# Altium PCB vme64x6U_ctrlc.PcbDoc (part 18 of 18)
Units mm, origin at the board's own origin, x right, y up, seen from the top; angles counter-clockwise.
Board outline 233.35 x 162 mm, 6 copper layers (TopLayer, PlaneGnd, PlanePwr, MidLayer3, MidLayer4, BottomLayer); 408 components, 677 nets, 2169 pads, 1555 vias.
Unrouted connection lines stored in the file: 184.
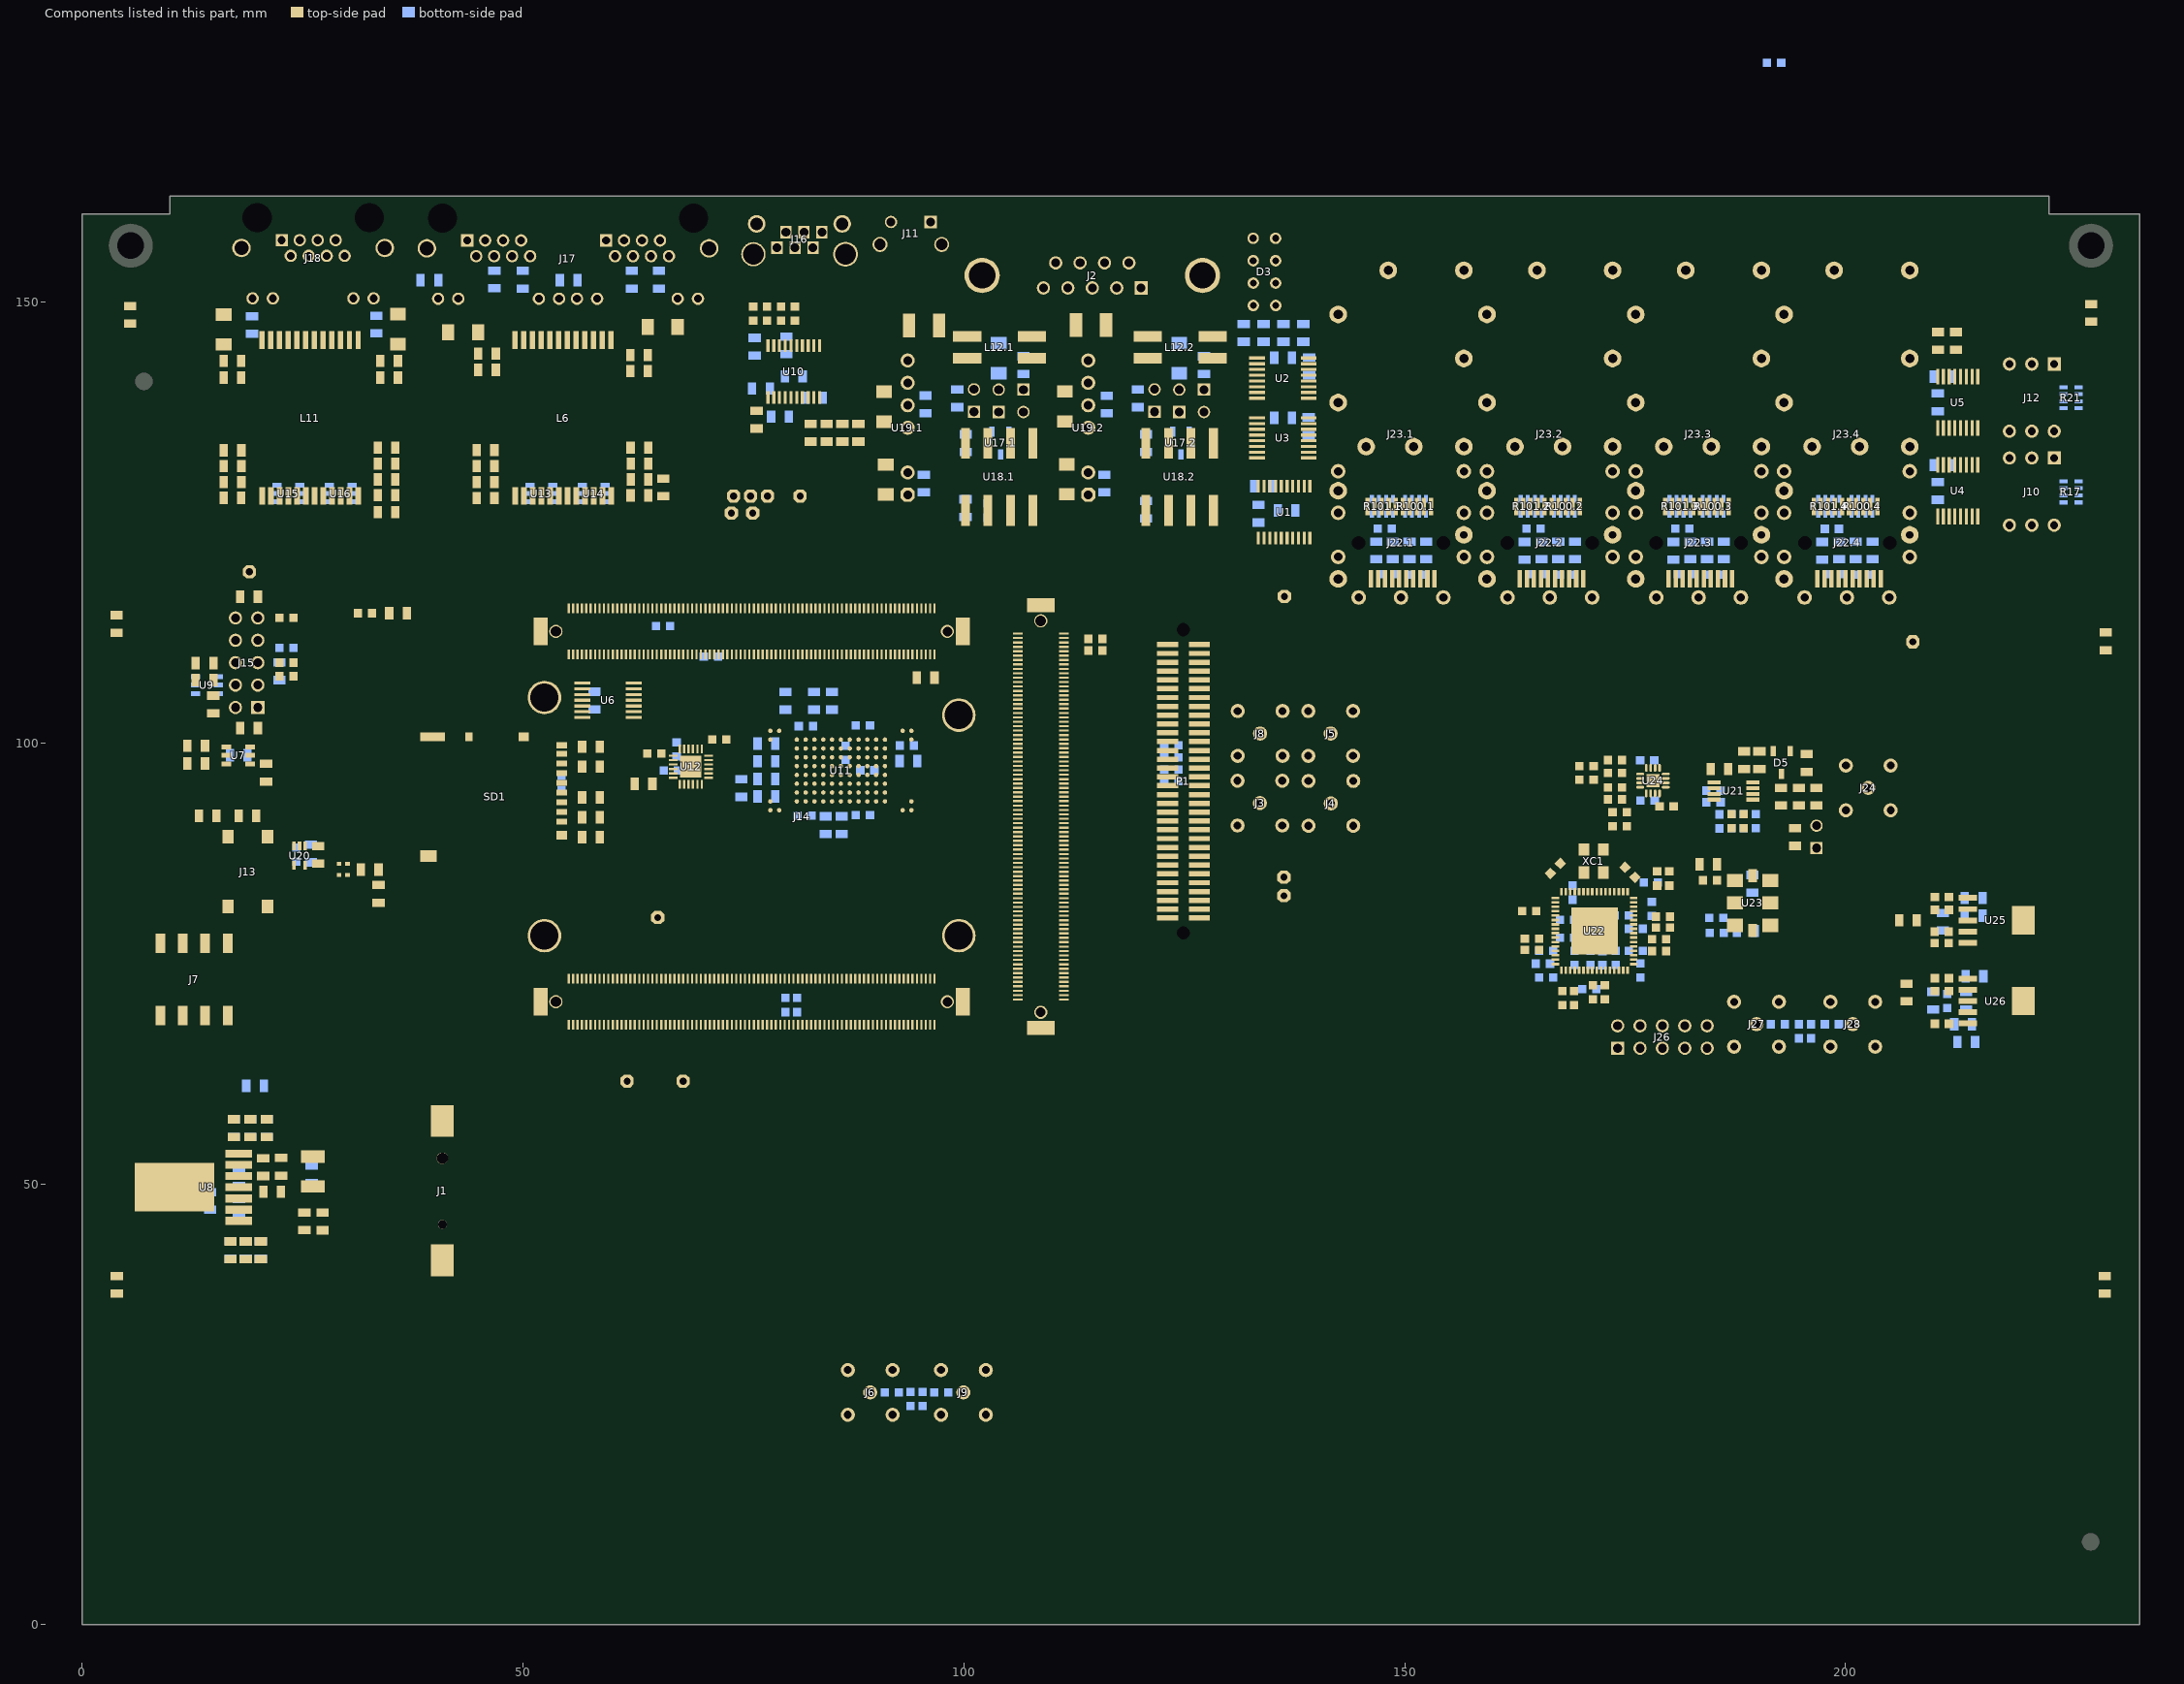
[diagram p22: the components of this part, seen from the top]

## Other copper
TopLayer:
  region net ChasisGND_T: 232.6,40.25 231.1,40.25 231.1,1.95 232.6,1.95
  region net StripGND_T: 232.6,115.25 231.1,115.25 231.1,60.25 232.6,60.25
  region net MGND: 232.6,151.95 231.1,151.95 231.1,120.25 232.6,120.25
  rectangle net MGND: 0.75,120.25 2.25,150.375
  rectangle net StripGND: 0.75,60.25 2.25,115.25
  rectangle net ChasisGND: 0.75,1.95 2.25,40.25
  region net +5VME: 20.635,44.46 20.635,44.96 16.21,44.96 16.21,44.46
  pour cut-out: 46.756,131.682 62.151,131.685 62.151,129.939 62.205,129.885 62.205,129.178 46.751,129.178
  pour cut-out: 18.061,131.682 33.456,131.685 33.456,129.939 33.51,129.885 33.51,129.178 18.056,129.178
  pour cut-out: 167.51,74.66 167.51,82.71 175.56,82.71 175.56,74.66
  pour cut-out: 15.52,128.485 18.59,128.485 18.59,126.735 15.52,126.735
  pour cut-out: 32.97,128.71 36.04,128.71 36.04,126.31 32.97,126.31
  pour cut-out: 44.24,130.285 47.31,130.285 47.31,127.9 44.24,127.9
  pour cut-out: 61.735,130.61 65.76,130.61 65.76,128.21 61.735,128.21
  pour cut-out: 77.61,145.785 83.81,145.785 83.81,138.435 77.61,138.435
  pour cut-out: 3.125,148.625 3.125,149.05 14.426,149.05 14.426,148.625
  pour cut-out: 219.851,148.625 219.851,149.05 231.101,149.05 231.101,148.625
  pour cut-out: 95.06,102.385 92.399,102.385 92.399,101.375 92.438,101.375 92.438,101.036 93.699,99.775 95.06,99.775
  pour cut-out: 95.06,91.365 92.399,91.365 92.399,92.375 92.438,92.375 92.438,92.714 93.699,93.975 95.06,93.975
  pour cut-out: 77.04,102.385 79.701,102.385 79.701,101.375 79.662,101.375 79.662,101.036 78.401,99.775 77.04,99.775
  pour cut-out: 77.04,91.365 79.701,91.365 79.701,92.375 79.662,92.375 79.662,92.714 78.401,93.975 77.04,93.975
  pour cut-out: 80.051,101.393 80.051,92.365 92.06,92.365 92.06,101.383
  pour cut-out: 54.801,100.425 55.676,100.425 55.876,100.625 56.301,100.625 56.301,88.675 54.801,88.675
  pour cut-out: 87.219,67.724
  pour cut-out: 203.013,117.525 204.263,117.525 204.263,111.949 192.514,100.2 164.751,100.2 162.625,98.074 162.625,82.525 129.35,49.25 86.23,49.25 80.3,55.18 80.3,67.724 94.137,67.724 94.137,66.589 94.726,66 121.678,66 145.875,90.197 145.875,117.647 146.015,117.787 153.638,117.787 153.638,114.2 150.775,111.337 150.775,104.8 158.725,112.75 161.999,112.75 162.788,113.539 162.788,118 170.538,118 170.537,111.511 167.813,108.786 176.074,108.786 179.638,112.35 179.637,117.8 187.387,117.8 187.387,111.474 181.514,105.6 181.514,104.85 188.8,104.85 196.537,112.587 196.538,117.538
  pour cut-out: 129.501,133.075 129.501,129.4 119.8,129.4 119.8,133.075
  pour cut-out: 108.75,133.075 108.75,129.4 99.325,129.4 99.325,133.075
  pour cut-out: 9.726,148.625 14.4,148.625 14.4,134.2 73.625,134.2 73.625,152.725 88.95,152.725 88.95,133.075 130.276,133.075 130.276,149.675 131.175,149.675 131.175,158.575 219.85,158.575 219.85,148.625 223.35,148.625 223.35,162.25 9.7,162.25
  pour cut-out: 3.125,149.05 -0.25,149.05 -0.25,-0.25 3.125,-0.25
  pour cut-out: 230.225,149.05 233.6,149.05 233.6,-0.25 230.225,-0.25
  pour cut-out: -0.25,149.175
MidLayer3:
  pour cut-out: 18.556,134.578 33.056,134.578 33.056,130.978 18.556,130.978
  pour cut-out: 47.251,134.578 61.751,134.578 61.751,130.978 47.251,130.978
  pour cut-out: 129.225,133.075 129.225,129.4 119.8,129.4 119.8,133.075
  pour cut-out: 108.75,133.075 108.75,129.4 99.325,129.4 99.325,133.075
  pour cut-out: 9.725,149.05 14.4,149.05 14.4,134.2 73.625,134.2 73.625,152.725 88.95,152.725 88.95,133.075 130.025,133.075 130.025,149.675 131.175,149.675 131.175,158.575 219.85,158.575 219.85,149.225 233.6,149.225 233.6,162.25 9.7,162.25
  pour cut-out: 168.6,89.775 171.5,89.775 174.2,87.075 174.2,83.75 170.9,83.75 168.6,86.05
MidLayer4:
  pour cut-out: 47.251,134.578 61.751,134.578 61.751,130.978 47.251,130.978
  pour cut-out: 18.556,134.578 33.056,134.578 33.056,130.978 18.556,130.978
  pour cut-out: 129.225,133.075 129.225,129.4 119.8,129.4 119.8,133.075
  pour cut-out: 108.75,133.075 108.75,129.4 99.325,129.4 99.325,133.075
  pour cut-out: 9.725,149.05 14.4,149.05 14.4,134.2 73.625,134.2 73.625,152.725 88.95,152.725 88.95,133.075 130.025,133.075 130.025,149.675 131.175,149.675 131.175,158.575 219.85,158.575 219.85,149.225 233.6,149.225 233.6,162.25 9.7,162.25
  pour cut-out: 168.6,89.775 171.5,89.775 174.2,87.075 174.2,83.75 170.9,83.75 168.6,86.05
BottomLayer:
  region net MGND: 232.6,152.1 231.1,152.1 231.1,120.25 232.6,120.25
  region net StripGND_T: 232.6,115.25 231.1,115.25 231.1,60.25 232.6,60.25
  region net ChasisGND_T: 232.6,40.25 231.1,40.25 231.1,1.95 232.6,1.95
  rectangle net ChasisGND: 0.75,1.95 2.25,40.25
  rectangle net StripGND: 0.75,60.25 2.25,115.25
  rectangle net MGND: 0.75,120.25 2.25,150.45
  pour cut-out: 47.251,134.578 61.751,134.578 61.751,130.978 47.251,130.978
  pour cut-out: 18.556,134.578 33.056,134.578 33.056,130.978 18.556,130.978
  pour cut-out: 196.335,128.145 196.335,129.105 203.635,129.105 203.635,128.12
  pour cut-out: 179.46,128.145 179.46,129.105 186.76,129.105 186.76,128.12
  pour cut-out: 162.585,128.145 162.585,129.105 169.885,129.105 169.885,128.12
  pour cut-out: 145.71,128.145 145.71,129.105 153.01,129.105 153.01,128.12
  pour cut-out: 130.7,148.325 130.7,144.67 135.335,144.67 135.335,142.72 136.635,142.72 136.635,144.495 139.55,144.495 139.55,148.32 133.585,148.32 133.585,149.345 132.183,149.345 132.183,148.325
  pour cut-out: 169.735,73.995 176.26,73.995 176.26,76.295 169.735,76.295
  pour cut-out: 169.71,76.32
  pour cut-out: 108.75,133.075 108.75,129.4 99.325,129.4 99.325,133.075
  pour cut-out: 129.225,133.075 129.225,129.4 119.8,129.4 119.8,133.075
  pour cut-out: 80.55,100.875 85.55,100.875 85.55,98.599 84.983,98.032 84.983,93.125 80.55,93.125
  pour cut-out: 230.225,149.05 233.6,149.05 233.6,-0.25 230.225,-0.25
  pour cut-out: 9.726,148.675 14.4,148.675 14.4,134.2 73.625,134.2 73.625,152.725 88.95,152.725 88.95,133.075 130.025,133.075 130.025,149.675 130.785,149.675 130.785,158.575 219.85,158.575 219.85,148.85 223.35,148.85 223.35,162.25 9.7,162.25
  pour cut-out: 3.125,149.05 -0.25,149.05 -0.25,-0.25 3.125,-0.25
  pour cut-out: 168.6,89.775 171.5,89.775 174.2,87.075 174.2,83.75 170.9,83.75 168.6,86.05
PlaneGnd (plane layer: these items are gaps in the copper):
  rectangle: 119.375,129.75 129.4,133
  rectangle: 98.9,129.75 108.925,133
  region: 2.25,149.05 -0.25,149.05 -0.25,39.4 2.25,39.4
  rectangle: 231.1,39.4 233.6,149.05
  rectangle: 88.9,145.2 130.15,149.65
  rectangle: 110.475,146.925 121.4,155.5
  lines w0.254: 168.725,86.25 171.1,83.875 173.825,83.875 174.075,84.125 174.075,87.025 171.45,89.65 168.725,89.65 168.725,86.25 ; 177.225,94.8 177.225,96.625 177.475,96.625 179.05,96.625 179.05,94.8 177.225,94.8
  lines w0.4: -0.25,150.875 -0.25,149.125 14.4,149.125 14.4,143.3 73.6,143.3 73.6,152.75 88.9,152.75 88.9,132.275 130.15,132.275 130.15,149.675 ; 88.9,133.05 88.9,149.65 131.175,149.65 131.175,158.575 219.95,158.575 219.95,149.05 233.6,149.05 233.6,151.5 ; 109.55,132.275 109.55,149.65
PlanePwr (plane layer: these items are gaps in the copper):
  rectangle: 119.375,129.775 129.4,133
  rectangle: 98.9,129.775 108.925,133
  rectangle: 220.075,149.025 233.35,160.25
  rectangle: 128.675,158.55 223.325,162.225
  rectangle: 0,149.05 15.1,160.25
  rectangle: 14.4,134.125 73.65,160.05
  rectangle: 9.75,152.3 89.525,162.225
  rectangle: 88.9,145.4 130.325,161.825
  region: 2.25,149.225 -0.25,149.225 -0.25,39.4 2.25,39.4
  rectangle: 231.1,39.4 233.6,149.225
  pour cut-out: 168.725,89.675 171.45,89.675 174.05,87.075 174.05,84.1 170.75,84.1 168.725,86.125
  lines w0.4: -0.25,45.775 21.9,45.775 21.9,42.15 4.05,42.15 4.05,19.9 ; 63.675,62.675 63.675,60.025 55.3,60.025 45.7,69.625 45.7,111.025 50.95,116.275 75.825,116.275 76.175,115.925 76.175,114.45 77.65,112.975 77.65,110.725 78.25,110.125 79.4,110.125 80.175,110.9 80.175,111.025 79.175,112.025 79.175,116.625 82.175,116.625 85.425,116.625 85.425,114.2 86.225,113.4 86.225,112.4 86.725,111.9 86.725,110.6 86.175,110.05 ; 74.175,107.45 74.175,111.425 76.3,111.425 76.3,109.925 76.3,105.225 83.175,105.225 83.175,111.675 85,111.675 85.5,111.175 85.5,110.725 86.175,110.05 ; 74.175,107.95 74.175,105.188 63.9,105.188 57.938,105.188 51.6,98.85 51.6,91.55 56.675,86.475 56.675,68.85 57.675,68.85 57.675,67.125 60.675,67.125 60.675,70.35 59.675,70.35 59.675,74.425 62.675,74.425 62.675,72.4 62.675,71.375 70.675,71.375 70.675,73.2 71.675,73.2 71.675,77.65 76.175,77.65 76.175,73.35 75.675,73.35 75.675,71.55 75.675,71.175 77.7,71.175 78.65,72.125 78.65,73.1 77.825,73.925 77.825,74.875 78.175,75.225 81.375,75.225 83.078,73.522 84.675,73.522 84.675,86.175 95.875,86.175 103.1,93.4 107.925,93.4 107.925,95.45 111.55,95.45 111.55,97.425 103.025,97.425 103.025,103.4 103.575,103.4 107.975,103.4 107.975,105.5 111.35,105.5 111.35,107.175 102.45,107.175 101.825,106.55 92.175,106.55 92.175,111.9 91.175,111.9 91.175,114.475 90.35,115.3 89.05,115.3 88.925,115.175 88.925,112.625 89.75,112.625 89.75,109.95 89.175,109.95 ; 85.525,66.45 113,66.45 124.975,78.425 167.125,78.425 167.125,74.1 166.4,74.1 166.4,72.6 169.05,72.6 169.05,73.75 173.6,73.75 173.6,75.725 175.5,75.725 175.5,73.8 177.6,73.8 177.6,76.1 177.309,76.1 177.309,79.675 174.6,79.675 173.65,79.675 173.65,80.925 ; 86.175,109.25 86.175,110.05 ; 88.925,114.45 88.275,114.45 87.175,115.55 87.175,117.625 93.675,117.625 ; 89.175,109.25 89.175,109.95 ; 109.55,145.4 88.9,145.4 88.9,133.075 109.5,133.075 ; 121.425,116.475 121.425,95.075 135.575,80.925 138.7,80.925 173.65,80.925 ; 162.1,78.425 162.1,70.15 180.3,70.15 180.3,71.95 208.6,71.95 208.6,70.725 211.6,70.725 211.6,72.725 211.6,74.525 ; 167.075,80.925 167.075,84.1 180.825,84.1 180.825,77.625 201.125,77.625 201.125,81.671 ; 201.125,81.8 207.1,81.8 207.1,74.525 211.6,74.525 ; 220,14.475 221.575,14.475 221.575,12.775 222.425,11.925 224.775,11.925 224.775,15.5 ; 220.15,14.475 145.175,14.475 145.175,12.9 144.325,12.05 142.1,12.05 142.1,14.4 11.775,14.4 11.775,12.8 10.95,11.975 4.05,11.975 4.05,19.9 ; 233.575,124.125 233.05,123.6 117.275,123.6 117.275,130.65 111.15,130.65 111.15,123.875 110.775,123.875 96.2,123.875 96.2,130.6 ; 4.05,19.9 6.05,19.9 6.05,17.725 6.05,14.45 8.875,14.45 8.875,15.5 224.775,15.5 ; 86.175,110.05 86.175,101.875 75.85,101.875 75.85,101.525 60.25,101.525 54.125,95.4 54.125,93.725 55.975,91.875 77.55,91.875 94.55,91.875 94.55,101.875 89.175,101.875 89.175,109.95 ; 96.175,130.6 96.2,130.6 ; 96.175,130.6 96.2,130.6 ; 96.175,130.6 91.1,130.6 91.1,125.85 93.675,125.85 93.675,108.475 98.125,108.475 98.125,116.5 228.5,116.5 228.5,34.2 230.225,34.2 230.225,15.5 224.775,15.5 ; 109.5,133.075 109.5,145.4 130.175,145.4 130.175,133.075 109.5,133.075 ; 173.65,80.925 173.65,82.225 178.725,82.225 178.725,74.525 211.6,74.525 ; 12.175,18.925 12.175,23.025 15.225,23.025 15.225,21.85 28.75,21.85 28.75,23.225 30.05,23.225 30.05,21.85 51.175,21.85 51.175,23.225 52.475,23.225 52.475,21.85 76.4,21.85 76.4,23.225 77.7,23.225 77.7,21.9 150.15,21.9 150.15,23.2 151.45,23.2 151.45,21.875 163,21.875 163,23.2 164.3,23.2 164.3,21.85 175.875,21.85 175.875,23.225 177.175,23.225 177.175,21.875 188.75,21.875 188.75,23.2 190.05,23.2 190.05,21.875 201.55,21.875 201.55,23.2 202.85,23.2 202.85,21.875 214.425,21.875 214.425,23.225 215.725,23.225 215.725,21.85 227.225,21.85 227.225,23.125 228.7,23.125 228.7,20.925 15.225,20.925 15.225,18.925 12.175,18.925 ; 63.675,60 63.675,69.55 66.45,69.55 66.45,68.85 68.875,68.85 68.875,69.55 71.425,69.55 71.425,68.85 74.175,68.85 74.175,68.1 76.675,68.1 76.675,69.725 79.575,69.725 79.575,66.4 82.6,66.4 82.6,69.875 85.525,69.875 85.525,65.35 71.95,65.35 71.95,60 63.675,60

## Silkscreen, mask and mechanical layers (free items; w line width, h text height)
TopOverlay:
  lines w0.15: 29.025,87.175 30.05,87.175 ; 29.05,84.1 30.075,84.1 ; 29.337,86.762 29.75,87.175 29.337,87.588 29.337,86.8 ; 29.362,83.687 29.775,84.1 29.362,84.513 29.362,83.725 ; 29.75,86.8 29.75,87.575 ; 29.775,83.725 29.775,84.5
  text "GPIO64" at 73.35,134.65 h1 r270
  text "GPIO52" at 75.325,134.65 h1 r270
  text "GPIO51" at 77.175,134.625 h1 r270
  text "GND" at 82.725,129.4 h1 r270
  text "GND" at 20.275,120.8 h1 r270
  text "GND" at 137.65,118.025 h1 r270
  text "PWR Fail" at 29.35,117.775 h1 r270
  text "GND" at 208.925,112.875 h1 r270
  text "REF IN" at 207.425,97.625 h1 r270
  text "QBRP" at 137.925,84.325 h1
  text "QBRN" at 137.925,82.225 h1
  text "+3.3V" at 61.85,77.475 h1
  text "PLL OUT N" at 194.375,63.25 h1 r180
  text "PLL OUT P" at 205.3,63.25 h1 r180
  text "COIN BAT CR1220" at 49.425,59.025 h1.2 r270
  text "+2.5V" at 58.375,58.925 h1
  text "+1.8V" at 66.725,58.925 h1
  text "XCVR TX P" at 93.5,21.5 h1 r180
  text "XCVR TX N" at 104.425,21.5 h1 r180
BottomOverlay:
  lines w0.15: 132.675,144.625 133.025,145.525 ; 134.075,144.15 135.175,145 ; 133.025,145.525 132.8,145.175 133.025,145.15 133.025,145.525 ; 135.175,145 134.85,144.9 135.05,144.725 135.175,145
  text "conf done" at 144.225,156.85 h0.85
  text "fpgaLed2" at 143.35,154.9 h0.85
  text "gnd" at 131.225,154.875 h0.85 r90
  text "gpio57" at 141.7,152.725 h0.85
  text "fpgaLed1" at 142.9,150.725 h0.85
TopSolder:
  rectangle: 0.7,120.2 2.3,159.75
  rectangle: 0.7,60.2 2.3,115.3
  rectangle: 0.7,1.9 2.3,40.3
  rectangle: 231.05,120.2 232.65,159.75
  rectangle: 231.05,60.2 232.65,115.3
  rectangle: 231.05,1.9 232.65,40.3
BottomSolder:
  rectangle: 0.7,1.9 2.3,40.3
  rectangle: 0.7,60.2 2.3,115.3
  rectangle: 0.7,120.2 2.3,159.75
  rectangle: 231.05,120.2 232.65,159.75
  rectangle: 231.05,60.2 232.65,115.3
  rectangle: 231.05,1.9 232.65,40.3
Mechanical1:
  rectangle: 55.025,71.65 96.825,72.7
  rectangle: 55.025,68.6 96.825,69.65
  region: 109.725,112.55 109.725,70.75 110.775,70.75 110.775,112.55
  region: 106.675,112.55 106.675,70.75 107.725,70.75 107.725,112.55
  rectangle: 55.025,110.6 96.825,111.65
  rectangle: 55.025,113.65 96.825,114.7
  lines w0.25: 2.575,-0.225 2.575,160.275 ; 230.85,-0.175 230.85,160.35
Mechanical2:
  lines w0.15: -11.25,162.5 244.6,162.5
  lines w0.25: -11.25,162.5 -11.25,165 ; 244.6,162.5 244.6,165
  lines w0.254: -11.25,165 244.6,165
  lines w0.5: 17.65,156.8 17.65,172.7 ; 119.81,166.7 119.81,64.81 241.725,64.81
Mechanical4:
  the board outline again, w0.25

## Text inside footprints (layer, text, board x,y; h text height)
J7: Top Assembly "1" at 8.17,71.075 h1; Top Assembly "ON" at 8.02,74.35 h1
J10: TopOverlay "0" at 223.325,128.91 h1.2 r270; Bottom Mechanical13/Mechanical14 "0" at 223.325,128.91 h1.2 r270
J12: TopOverlay "0" at 223.325,139.56 h1.2 r270; Bottom Mechanical13/Mechanical14 "0" at 223.325,139.56 h1.2 r270
J14: Mechanical1 "Connectro A" at 94.925,112.05 h1.52 r180; Mechanical1 "Connectro C" at 109.325,110.65 h1.52 r270; Mechanical1 "Connectro B" at 94.925,70.05 h1.52 r180